# KiCad board JL.kicad_pcb (continued)
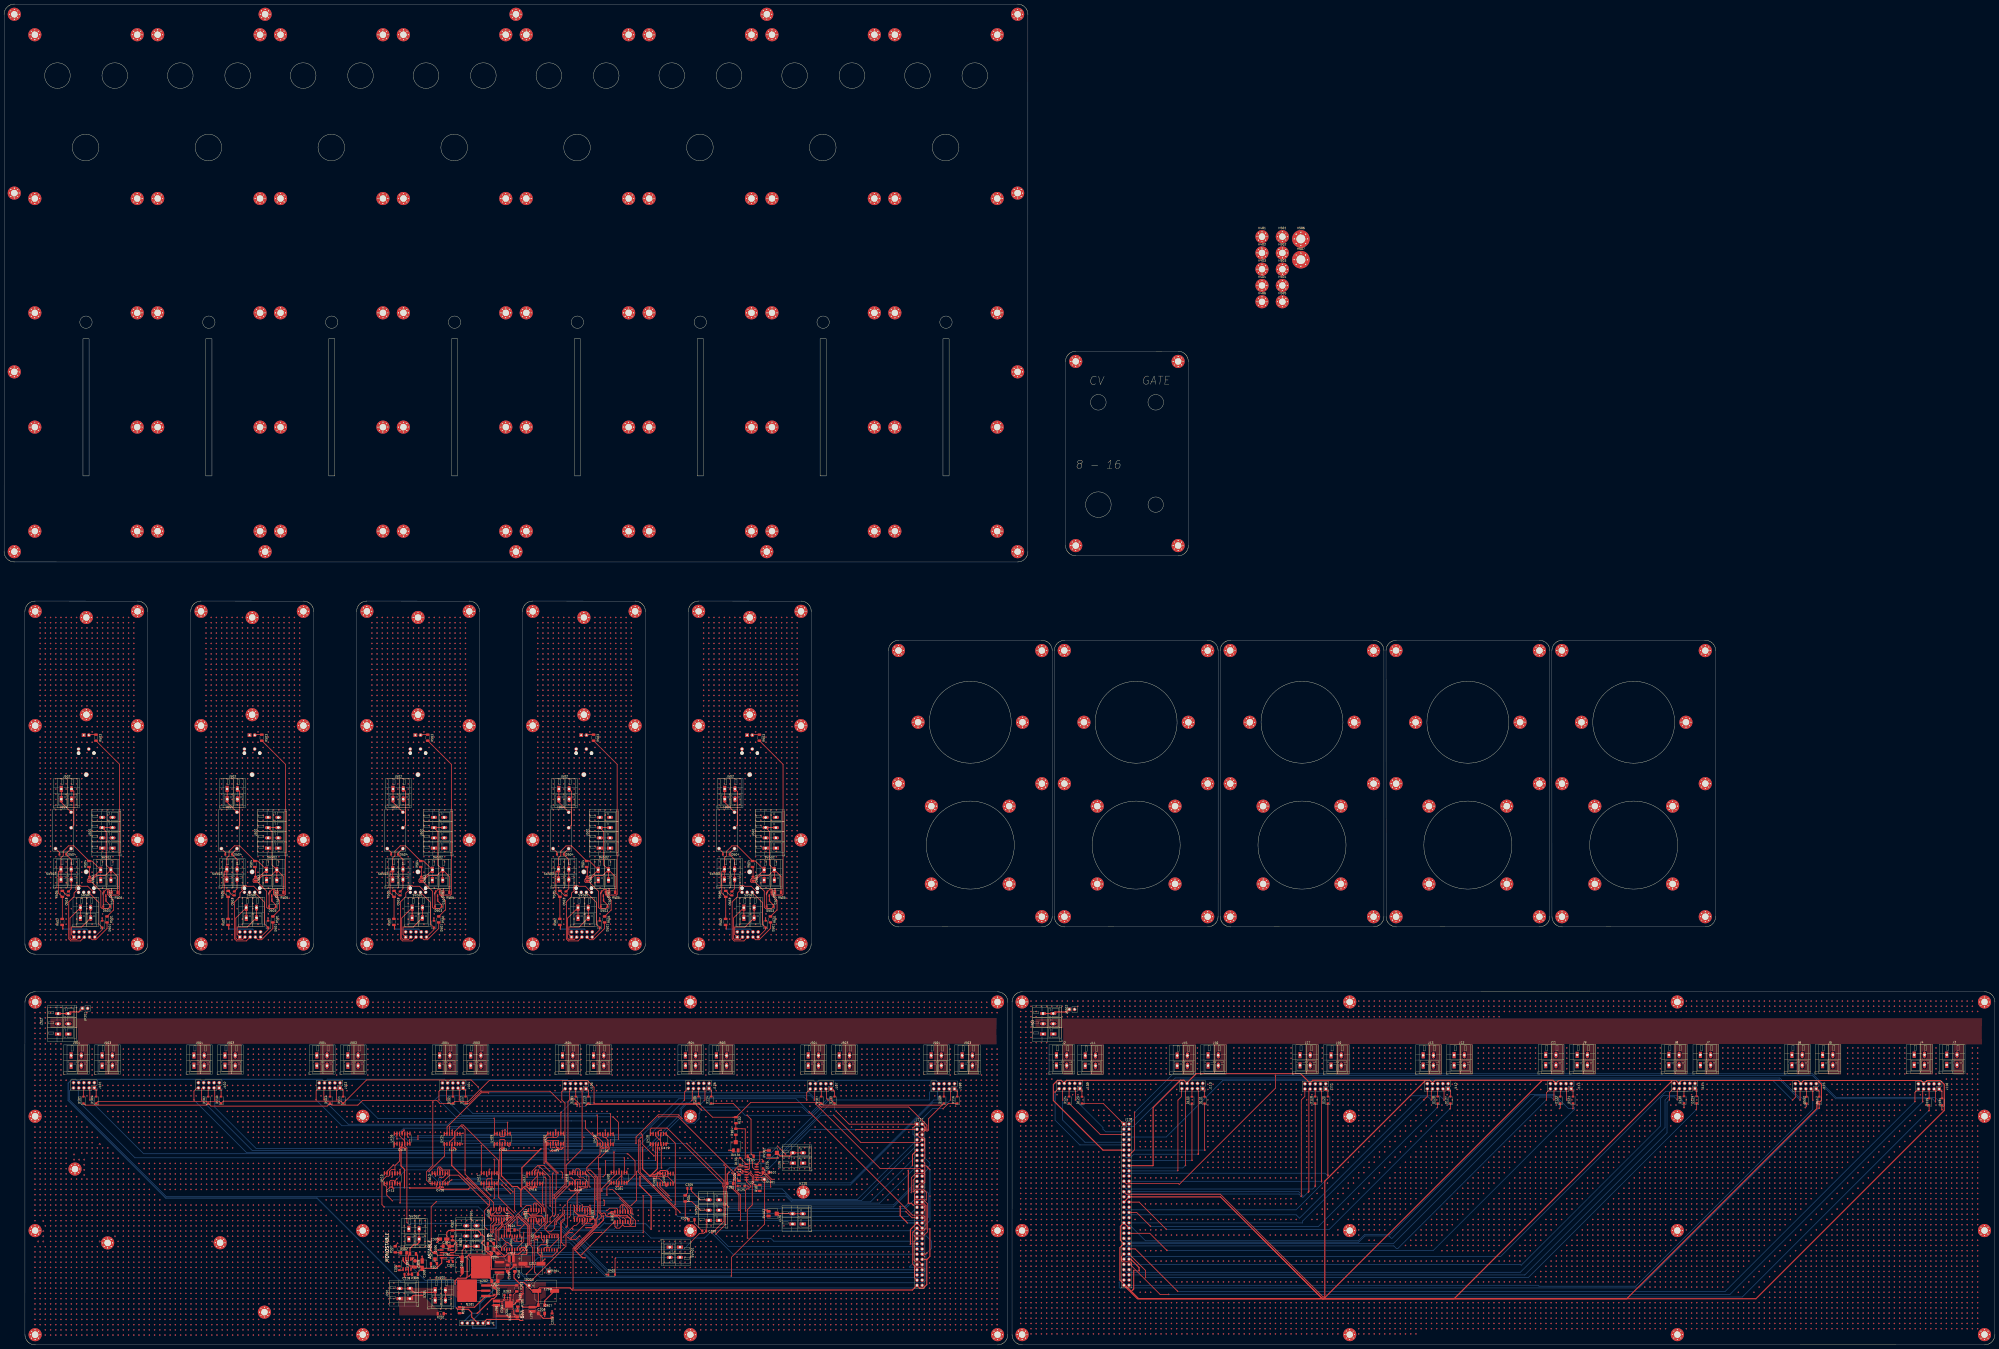
[diagram p0: board, top side]
## Placement (name value [footprint] x y rotation side) (continued)
H207  MountingHole  [MountingHole_3.2mm_M3_Pad_Via]  364.16 355.33 0 top
H210  MountingHole  [MountingHole_3.2mm_M3_Pad_Via]  127.48 387.47 0 top
H211  MountingHole  [MountingHole_3.2mm_M3_Pad_Via]  249.98 387.47 0 top
H212  MountingHole  [MountingHole_3.2mm_M3_Pad_Via]  372.48 387.47 0 top
H213  MountingHole  [MountingHole_3.2mm_M3_Pad_Via]  494.98 387.47 0 top
H214  MountingHole  [MountingHole_3.2mm_M3_Pad_Via]  127.48 649.97 0 top
H215  MountingHole  [MountingHole_3.2mm_M3_Pad_Via]  249.98 649.97 0 top
H216  MountingHole  [MountingHole_3.2mm_M3_Pad_Via]  372.48 649.97 0 top
H218  MountingHole  [MountingHole_3.2mm_M3_Pad_Via]  75.01 639.98 0 top
H219  MountingHole  [MountingHole_3.2mm_M3_Pad_Via]  125.01 639.98 0 top
H220  MountingHole  [MountingHole_3.2mm_M3_Pad_Via]  135.01 639.98 0 top
H221  MountingHole  [MountingHole_3.2mm_M3_Pad_Via]  185.01 639.98 0 top
H222  MountingHole  [MountingHole_3.2mm_M3_Pad_Via]  195.01 639.98 0 top
H223  MountingHole  [MountingHole_3.2mm_M3_Pad_Via]  245.01 639.98 0 top
H224  MountingHole  [MountingHole_3.2mm_M3_Pad_Via]  255.01 639.98 0 top
H225  MountingHole  [MountingHole_3.2mm_M3_Pad_Via]  305.01 639.98 0 top
H226  MountingHole  [MountingHole_3.2mm_M3_Pad_Via]  315.01 639.98 0 top
H227  MountingHole  [MountingHole_3.2mm_M3_Pad_Via]  365.01 639.98 0 top
H228  MountingHole  [MountingHole_3.2mm_M3_Pad_Via]  375.01 639.98 0 top
H229  MountingHole  [MountingHole_3.2mm_M3_Pad_Via]  425.01 639.98 0 top
H230  MountingHole  [MountingHole_3.2mm_M3_Pad_Via]  435.01 639.98 0 top
H231  MountingHole  [MountingHole_3.2mm_M3_Pad_Via]  485.01 639.98 0 top
H233  MountingHole  [MountingHole_3.2mm_M3_Pad_Via]  517.81 209.15 0 top
H234  MountingHole  [MountingHole_3.2mm_M3_Pad_Via]  587.81 209.15 0 top
H235  MountingHole  [MountingHole_3.2mm_M3_Pad_Via]  533.86 225.15 0 top
H236  MountingHole  [MountingHole_3.2mm_M3_Pad_Via]  571.86 225.15 0 top
H237  MountingHole  [MountingHole_3.2mm_M3_Pad_Via]  533.86 263.15 0 top
H238  MountingHole  [MountingHole_3.2mm_M3_Pad_Via]  571.86 263.15 0 top
H239  MountingHole  [MountingHole_3.2mm_M3_Pad_Via]  517.81 274.15 0 top
H240  MountingHole  [MountingHole_3.2mm_M3_Pad_Via]  587.81 274.15 0 top
H241  MountingHole  [MountingHole_3.2mm_M3_Pad_Via]  527.36 304.15 0 top
H242  MountingHole  [MountingHole_3.2mm_M3_Pad_Via]  578.36 304.15 0 top
H243  MountingHole  [MountingHole_3.2mm_M3_Pad_Via]  587.81 339.15 0 top
H244  MountingHole  [MountingHole_3.2mm_M3_Pad_Via]  517.76 339.21 0 top
H245  MountingHole  [MountingHole_3.2mm_M3_Pad_Via]  598.81 209.15 0 top
H246  MountingHole  [MountingHole_3.2mm_M3_Pad_Via]  668.81 209.15 0 top
H247  MountingHole  [MountingHole_3.2mm_M3_Pad_Via]  614.86 225.15 0 top
H248  MountingHole  [MountingHole_3.2mm_M3_Pad_Via]  652.86 225.15 0 top
H249  MountingHole  [MountingHole_3.2mm_M3_Pad_Via]  614.86 263.15 0 top
H250  MountingHole  [MountingHole_3.2mm_M3_Pad_Via]  652.86 263.15 0 top
H251  MountingHole  [MountingHole_3.2mm_M3_Pad_Via]  598.81 274.15 0 top
H252  MountingHole  [MountingHole_3.2mm_M3_Pad_Via]  668.81 274.15 0 top
H253  MountingHole  [MountingHole_3.2mm_M3_Pad_Via]  608.36 304.15 0 top
H254  MountingHole  [MountingHole_3.2mm_M3_Pad_Via]  659.36 304.15 0 top
H255  MountingHole  [MountingHole_3.2mm_M3_Pad_Via]  668.81 339.15 0 top
H256  MountingHole  [MountingHole_3.2mm_M3_Pad_Via]  598.76 339.21 0 top
H257  MountingHole  [MountingHole_3.2mm_M3_Pad_Via]  679.81 209.15 0 top
H258  MountingHole  [MountingHole_3.2mm_M3_Pad_Via]  749.81 209.15 0 top
H259  MountingHole  [MountingHole_3.2mm_M3_Pad_Via]  695.86 225.15 0 top
H260  MountingHole  [MountingHole_3.2mm_M3_Pad_Via]  733.86 225.15 0 top
H261  MountingHole  [MountingHole_3.2mm_M3_Pad_Via]  695.86 263.15 0 top
H262  MountingHole  [MountingHole_3.2mm_M3_Pad_Via]  733.86 263.15 0 top
H263  MountingHole  [MountingHole_3.2mm_M3_Pad_Via]  679.81 274.15 0 top
H264  MountingHole  [MountingHole_3.2mm_M3_Pad_Via]  749.81 274.15 0 top
H265  MountingHole  [MountingHole_3.2mm_M3_Pad_Via]  689.36 304.15 0 top
H266  MountingHole  [MountingHole_3.2mm_M3_Pad_Via]  740.36 304.15 0 top
H267  MountingHole  [MountingHole_3.2mm_M3_Pad_Via]  749.81 339.15 0 top
H268  MountingHole  [MountingHole_3.2mm_M3_Pad_Via]  679.76 339.21 0 top
H269  MountingHole  [MountingHole_3.2mm_M3_Pad_Via]  760.81 209.15 0 top
H270  MountingHole  [MountingHole_3.2mm_M3_Pad_Via]  830.81 209.15 0 top
H271  MountingHole  [MountingHole_3.2mm_M3_Pad_Via]  776.86 225.15 0 top
H272  MountingHole  [MountingHole_3.2mm_M3_Pad_Via]  814.86 225.15 0 top
H273  MountingHole  [MountingHole_3.2mm_M3_Pad_Via]  776.86 263.15 0 top
H274  MountingHole  [MountingHole_3.2mm_M3_Pad_Via]  814.86 263.15 0 top
H275  MountingHole  [MountingHole_3.2mm_M3_Pad_Via]  760.81 274.15 0 top
H276  MountingHole  [MountingHole_3.2mm_M3_Pad_Via]  830.81 274.15 0 top
H277  MountingHole  [MountingHole_3.2mm_M3_Pad_Via]  770.36 304.15 0 top
H278  MountingHole  [MountingHole_3.2mm_M3_Pad_Via]  821.36 304.15 0 top
H279  MountingHole  [MountingHole_3.2mm_M3_Pad_Via]  830.81 339.15 0 top
H280  MountingHole  [MountingHole_3.2mm_M3_Pad_Via]  760.76 339.21 0 top
H401  MountingHole  [MountingHole_3.2mm_M3_Pad_Via]  614.31 541.35 0 top
H402  MountingHole  [MountingHole_3.2mm_M3_Pad_Via]  614.31 533.4 0 top
H403  MountingHole  [MountingHole_3.2mm_M3_Pad_Via]  614.31 525.45 0 top
H404  MountingHole  [MountingHole_3.2mm_M3_Pad_Via]  614.31 517.5 0 top
H405  MountingHole  [MountingHole_3.2mm_M3_Pad_Via]  127.13 16 0 top
H406  MountingHole  [MountingHole_3.2mm_M3_Pad_Via]  614.31 509.55 0 top
H407  MountingHole  [MountingHole_3.2mm_M3_Pad_Via]  34.63 85.9 0 top
H408  MountingHole  [MountingHole_3.2mm_M3_Pad_Via]  105.53 49.9 0 top
H501  MountingHole  [MountingHole_3.2mm_M3_Pad_Via]  624.26 541.35 0 top
H502  MountingHole  [MountingHole_3.2mm_M3_Pad_Via]  624.26 533.4 0 top
H503  MountingHole  [MountingHole_3.2mm_M3_Pad_Via]  624.26 525.45 0 top
H504  MountingHole  [MountingHole_3.2mm_M3_Pad_Via]  624.26 517.5 0 top
H505  MountingHole  [MountingHole_3.2mm_M3_Pad_Via]  624.26 509.55 0 top
H506  MountingHole  [MountingHole_4.3mm_M4_Pad_Via]  633.31 540.25 0 top
H507  MountingHole  [MountingHole_4.3mm_M4_Pad_Via]  633.31 530.1 0 top
J1  Conn_01x06_Pin  [PinHeader_1x06_P2.54mm_Vertical]  236.44 10.63 270 top
J2  Screw_Terminal_01x02  [TerminalBlock_WAGO_236-402_1x02_P5.00mm_45Degree]  513.94 141.46 0 top
J3  Screw_Terminal_01x02  [TerminalBlock_WAGO_236-402_1x02_P5.00mm_45Degree]  948.74 141.76 0 top
J4  Screw_Terminal_01x02  [TerminalBlock_WAGO_236-402_1x02_P5.00mm_45Degree]  932.84 141.76 0 top
J5  Screw_Terminal_01x02  [TerminalBlock_WAGO_236-402_1x02_P5.00mm_45Degree]  888.09 141.66 0 top
J6  Screw_Terminal_01x02  [TerminalBlock_WAGO_236-402_1x02_P5.00mm_45Degree]  873.14 141.66 0 top
J7  Screw_Terminal_01x02  [TerminalBlock_WAGO_236-402_1x02_P5.00mm_45Degree]  828.44 141.66 0 top
J8  Screw_Terminal_01x02  [TerminalBlock_WAGO_236-402_1x02_P5.00mm_45Degree]  813.04 141.66 0 top
J9  Screw_Terminal_01x02  [TerminalBlock_WAGO_236-402_1x02_P5.00mm_45Degree]  768.24 141.66 0 top
J10  Screw_Terminal_01x02  [TerminalBlock_WAGO_236-402_1x02_P5.00mm_45Degree]  648.04 141.46 0 top
J11  Screw_Terminal_01x02  [TerminalBlock_WAGO_236-402_1x02_P5.00mm_45Degree]  752.89 141.66 0 top
J12  Screw_Terminal_01x02  [TerminalBlock_WAGO_236-402_1x02_P5.00mm_45Degree]  708.14 141.56 0 top
J13  Screw_Terminal_01x02  [TerminalBlock_WAGO_236-402_1x02_P5.00mm_45Degree]  693.04 141.46 0 top
J14  Screw_Terminal_01x02  [TerminalBlock_WAGO_236-402_1x02_P5.00mm_45Degree]  527.99 141.36 0 top
J15  Screw_Terminal_01x02  [TerminalBlock_WAGO_236-402_1x02_P5.00mm_45Degree]  572.89 141.36 0 top
J16  Screw_Terminal_01x02  [TerminalBlock_WAGO_236-402_1x02_P5.00mm_45Degree]  587.99 141.46 0 top
J17  Screw_Terminal_01x02  [TerminalBlock_WAGO_236-402_1x02_P5.00mm_45Degree]  632.89 141.56 0 top
J101  Conn_01x10  [PinSocket_2x05_P2.54mm_Vertical]  44.08 125.55 270 top
J102  Conn_01x10  [PinSocket_2x05_P2.54mm_Vertical]  105.08 125.55 270 top
J103  Conn_01x10  [PinSocket_2x05_P2.54mm_Vertical]  164.08 125.45 270 top
J104  Conn_01x10  [PinSocket_2x05_P2.54mm_Vertical]  224.24 125.41 270 top
J105  Conn_01x10  [PinSocket_2x05_P2.54mm_Vertical]  284.18 125.11 270 top
J106  Conn_01x10  [PinSocket_2x05_P2.54mm_Vertical]  344.28 125.21 270 top
J107  Conn_01x10  [PinSocket_2x05_P2.54mm_Vertical]  403.88 125.05 270 top
J108  Conn_01x10  [PinSocket_2x05_P2.54mm_Vertical]  464.16 125.05 270 top
J109  Conn_01x10  [PinSocket_2x05_P2.54mm_Vertical]  525.41 125.18 270 top
J110  Conn_01x10  [PinSocket_2x05_P2.54mm_Vertical]  585.37 125.18 270 top
J111  Conn_01x10  [PinSocket_2x05_P2.54mm_Vertical]  645.43 124.98 270 top
J112  Conn_01x10  [PinSocket_2x05_P2.54mm_Vertical]  705.21 125.08 270 top
J113  Conn_01x10  [PinSocket_2x05_P2.54mm_Vertical]  765.35 125.08 270 top
J114  Conn_01x10  [PinSocket_2x05_P2.54mm_Vertical]  825.8 125.19 270 top
J115  Conn_01x10  [PinSocket_2x05_P2.54mm_Vertical]  885 125.09 270 top
J116  Conn_01x10  [PinSocket_2x05_P2.54mm_Vertical]  945.07 124.98 270 top
J117  Conn_02x32_Odd_Even  [PinHeader_2x32_P2.54mm_Vertical]  445.84 107.82 0 top
J118  Conn_02x32_Odd_Even  [PinHeader_2x32_P2.54mm_Vertical]  546.87 107.89 0 top
J119  AudioJack2  [TerminalBlock_WAGO_236-402_1x02_P5.00mm_45Degree]  385.19 88.8 90 top
J120  AudioJack2  [TerminalBlock_WAGO_236-402_1x02_P5.00mm_45Degree]  385.04 59.07 90 top
J201  Screw_Terminal_01x02  [TerminalBlock_WAGO_236-402_1x02_P5.00mm_45Degree]  193.19 22.6 90 top
J202  Screw_Terminal_01x03  [TerminalBlock_WAGO_236-403_1x03_P5.00mm_45Degree]  26.35 151.84 90 top
J203  Screw_Terminal_01x03  [TerminalBlock_WAGO_236-403_1x03_P5.00mm_45Degree]  507.38 151.87 90 top
J501  Conn_01x10  [PinSocket_2x05_P2.54mm_Vertical]  115.1 199.2 270 bottom
J501#2  Conn_01x10  [PinSocket_2x05_P2.54mm_Vertical]  358.1 199.2 270 bottom
J501#3  Conn_01x10  [PinSocket_2x05_P2.54mm_Vertical]  277.1 199.2 270 bottom
J501#4  Conn_01x10  [PinSocket_2x05_P2.54mm_Vertical]  34.1 199.2 270 bottom
J501#5  Conn_01x10  [PinSocket_2x05_P2.54mm_Vertical]  196.1 199.2 270 bottom
J502  Screw_Terminal_01x02  [TerminalBlock_WAGO_236-402_1x02_P5.00mm_45Degree]  270.93 271.58 0 top
J502#2  Screw_Terminal_01x02  [TerminalBlock_WAGO_236-402_1x02_P5.00mm_45Degree]  27.93 271.58 0 top
J502#3  Screw_Terminal_01x02  [TerminalBlock_WAGO_236-402_1x02_P5.00mm_45Degree]  108.93 271.58 0 top
J502#4  Screw_Terminal_01x02  [TerminalBlock_WAGO_236-402_1x02_P5.00mm_45Degree]  189.93 271.58 0 top
J502#5  Screw_Terminal_01x02  [TerminalBlock_WAGO_236-402_1x02_P5.00mm_45Degree]  351.93 271.58 0 top
J503  Screw_Terminal_01x02  [TerminalBlock_WAGO_236-402_1x02_P5.00mm_45Degree]  287.87 141.4 0 top
J503#2  Screw_Terminal_01x02  [TerminalBlock_WAGO_236-402_1x02_P5.00mm_45Degree]  347.87 141.4 0 top
J503#3  Screw_Terminal_01x02  [TerminalBlock_WAGO_236-402_1x02_P5.00mm_45Degree]  467.87 141.4 0 top
J503#4  Screw_Terminal_01x02  [TerminalBlock_WAGO_236-402_1x02_P5.00mm_45Degree]  407.87 141.4 0 top
J503#5  Screw_Terminal_01x02  [TerminalBlock_WAGO_236-402_1x02_P5.00mm_45Degree]  47.87 141.4 0 top
J503#6  Screw_Terminal_01x02  [TerminalBlock_WAGO_236-402_1x02_P5.00mm_45Degree]  107.87 141.4 0 top
J503#7  Screw_Terminal_01x02  [TerminalBlock_WAGO_236-402_1x02_P5.00mm_45Degree]  227.87 141.4 0 top
J503#8  Screw_Terminal_01x02  [TerminalBlock_WAGO_236-402_1x02_P5.00mm_45Degree]  167.87 141.4 0 top
J504  Screw_Terminal_01x02  [TerminalBlock_WAGO_236-402_1x02_P5.00mm_45Degree]  452.72 141.4 0 top
J504#2  Screw_Terminal_01x02  [TerminalBlock_WAGO_236-402_1x02_P5.00mm_45Degree]  212.72 141.4 0 top
J504#3  Screw_Terminal_01x02  [TerminalBlock_WAGO_236-402_1x02_P5.00mm_45Degree]  332.72 141.4 0 top
J504#4  Screw_Terminal_01x02  [TerminalBlock_WAGO_236-402_1x02_P5.00mm_45Degree]  92.72 141.4 0 top
J504#5  Screw_Terminal_01x02  [TerminalBlock_WAGO_236-402_1x02_P5.00mm_45Degree]  32.72 141.4 0 top
J504#6  Screw_Terminal_01x02  [TerminalBlock_WAGO_236-402_1x02_P5.00mm_45Degree]  152.72 141.4 0 top
J504#7  Screw_Terminal_01x02  [TerminalBlock_WAGO_236-402_1x02_P5.00mm_45Degree]  272.72 141.4 0 top
J504#8  Screw_Terminal_01x02  [TerminalBlock_WAGO_236-402_1x02_P5.00mm_45Degree]  392.72 141.4 0 top
JP201  Jumper_2_Open  [PinHeader_1x02_P2.54mm_Vertical]  38.23 164.39 90 top
JP202  Jumper_2_Open  [PinHeader_1x02_P2.54mm_Vertical]  520.25 163.88 90 top
K501  ALQ305  [RELAY_ALQ3_PAN]  108.66 250.06 180 top
K501#2  ALQ305  [RELAY_ALQ3_PAN]  270.66 250.06 180 top
K501#3  ALQ305  [RELAY_ALQ3_PAN]  351.66 250.06 180 top
K501#4  ALQ305  [RELAY_ALQ3_PAN]  189.66 250.06 180 top
K501#5  ALQ305  [RELAY_ALQ3_PAN]  27.66 250.06 180 top
L201  4.7uH  [L_Wuerth_MAPI-3015]  240.44 20.39 270 top
L202  L  [L_Wuerth_MAPI-3015]  257.87 17.4 90 top
L203  L  [L_Wuerth_MAPI-3015]  247.69 42.03 0 top
Q201  IRF5305-Reverse-Polarity  [TO-263-3_TabPin2]  227.62 26.48 180 top
Q501  BC817  [SOT-23]  130.68 220.33 270 top
Q501#2  BC817  [SOT-23]  373.68 220.33 270 top
Q501#3  BC817  [SOT-23]  292.68 220.33 270 top
Q501#4  BC817  [SOT-23]  49.68 220.33 270 top
Q501#5  BC817  [SOT-23]  211.68 220.33 270 top
R101  R_US  [R_1206_3216Metric]  371.96 84.23 180 top
R102  1000K  [R_1206_3216Metric]  357.44 109.77 270 top
R103  R_US  [R_1206_3216Metric]  364.62 92.1 180 top
R104  0R  [R_1206_3216Metric]  357.34 104.12 90 top
R105  R_US  [R_1206_3216Metric]  354.64 78.8 180 top
R106  R_US  [R_1206_3216Metric]  358.89 81.62 270 top
R107  R_US  [R_1206_3216Metric]  369.04 76.68 90 top
R201  0  [R_1206_3216Metric]  213.23 15.25 180 top
R202  100K  [R_1206_3216Metric]  222.44 16.97 270 top
R203  R_US  [R_1206_3216Metric]  250.37 27.62 90 top
R204  R_US  [R_1206_3216Metric]  237.7 49.48 180 top
R205  R_US  [R_1206_3216Metric]  250.87 20.15 270 top
R301  R_US  [R_1206_3216Metric]  209.94 39.69 0 top
R302  R_US  [R_1206_3216Metric]  218.94 54.48 90 top
R303  R_US  [R_1206_3216Metric]  218.94 49.65 90 top
R304  R_US  [R_1206_3216Metric]  332.64 71.55 270 top
R305  R_US  [R_1206_3216Metric]  335.72 61.16 180 top
R306  R_US  [R_1206_3216Metric]  199.69 44.5 0 top
R307  R_US  [R_1206_3216Metric]  191.01 46.7 270 top
R308  R_US  [R_1206_3216Metric]  200.65 34.5 0 top
R401  R_US  [R_1206_3216Metric]  247.81 56.14 180 top
R501  R_US  [R_1206_3216Metric]  212.28 207.84 90 top
R501#2  R_US  [R_1206_3216Metric]  50.28 207.84 90 top
R501#3  R_US  [R_1206_3216Metric]  131.28 207.84 90 top
R501#4  R_US  [R_1206_3216Metric]  374.28 207.84 90 top
R501#5  R_US  [R_1206_3216Metric]  293.28 207.84 90 top
R502  R_US  [R_1206_3216Metric]  271.36 206.62 90 top
R502#2  R_US  [R_1206_3216Metric]  28.36 206.62 90 top
R502#3  R_US  [R_1206_3216Metric]  190.36 206.62 90 top
R502#4  R_US  [R_1206_3216Metric]  109.36 206.62 90 top
R502#5  R_US  [R_1206_3216Metric]  352.36 206.62 90 top
R503  R_US  [R_1206_3216Metric]  206.88 296.6 270 top
R503#2  R_US  [R_1206_3216Metric]  368.88 296.6 270 top
R503#3  R_US  [R_1206_3216Metric]  287.88 296.6 270 top
R503#4  R_US  [R_1206_3216Metric]  44.88 296.6 270 top
R503#5  R_US  [R_1206_3216Metric]  125.88 296.6 270 top
R504  R_US  [R_1206_3216Metric]  41.48 234.9 90 top
R504#2  R_US  [R_1206_3216Metric]  365.48 234.9 90 top
R504#3  R_US  [R_1206_3216Metric]  122.48 234.9 90 top
R504#4  R_US  [R_1206_3216Metric]  203.48 234.9 90 top
R504#5  R_US  [R_1206_3216Metric]  284.48 234.9 90 top
R505  R_US  [R_1206_3216Metric]  271.43 220.32 90 top
R505#2  R_US  [R_1206_3216Metric]  352.43 220.32 90 top
R505#3  R_US  [R_1206_3216Metric]  109.43 220.32 90 top
R505#4  R_US  [R_1206_3216Metric]  28.43 220.32 90 top
R505#5  R_US  [R_1206_3216Metric]  190.43 220.32 90 top
R506  R_US  [R_1206_3216Metric]  53.96 221.08 0 top
R506#2  R_US  [R_1206_3216Metric]  215.96 221.08 0 top
R506#3  R_US  [R_1206_3216Metric]  134.96 221.08 0 top
R506#4  R_US  [R_1206_3216Metric]  377.96 221.08 0 top
R506#5  R_US  [R_1206_3216Metric]  296.96 221.08 0 top
RV101  R_Potentiometer_US  [Potentiometer_Bourns_3314J_Vertical]  357.34 97.02 180 top
RV102  R_Potentiometer_US  [Potentiometer_Bourns_3314J_Vertical]  375.44 93.8 90 top
RV103  R_Potentiometer_US  [Potentiometer_Bourns_3314J_Vertical]  375.34 64.12 90 top
RV301  R_Potentiometer_US  [TerminalBlock_WAGO_236-403_1x03_P5.00mm_45Degree]  225.69 48.19 90 top
RV501  R_Potentiometer_US  [POT_SEGOR_10K]  121.12 256.08 90 bottom
RV501#2  R_Potentiometer_US  [POT_SEGOR_10K]  202.12 256.08 90 bottom
RV501#3  R_Potentiometer_US  [POT_SEGOR_10K]  40.12 256.08 90 bottom
RV501#4  R_Potentiometer_US  [POT_SEGOR_10K]  283.12 256.08 90 bottom
RV501#5  R_Potentiometer_US  [POT_SEGOR_10K]  364.12 256.08 90 bottom
SW201  SW_SPST  [TerminalBlock_WAGO_236-402_1x02_P5.00mm_45Degree]  210.54 26.75 0 top
SW301  SW_SPDT  [TerminalBlock_WAGO_236-403_1x03_P5.00mm_45Degree]  344.14 60.83 90 top
SW302  SW_Push  [TerminalBlock_WAGO_236-402_1x02_P5.00mm_45Degree]  197.68 56.7 0 top
SW401  SW_SPST  [TerminalBlock_WAGO_236-402_1x02_P5.00mm_45Degree]  330.09 47.77 270 top
SW501  SW_Push  [TerminalBlock_WAGO_236-402_1x02_P5.00mm_45Degree]  118.28 213.58 0 top
SW501#2  SW_Push  [TerminalBlock_WAGO_236-402_1x02_P5.00mm_45Degree]  361.28 213.58 0 top
SW501#3  SW_Push  [TerminalBlock_WAGO_236-402_1x02_P5.00mm_45Degree]  280.28 213.58 0 top
SW501#4  SW_Push  [TerminalBlock_WAGO_236-402_1x02_P5.00mm_45Degree]  37.28 213.58 0 top
SW501#5  SW_Push  [TerminalBlock_WAGO_236-402_1x02_P5.00mm_45Degree]  199.28 213.58 0 top
SW502  SW_SPST  [TerminalBlock_WAGO_236-402_1x02_P5.00mm_45Degree]  371.18 232.08 0 top
SW502#2  SW_SPST  [TerminalBlock_WAGO_236-402_1x02_P5.00mm_45Degree]  128.18 232.08 0 top
SW502#3  SW_SPST  [TerminalBlock_WAGO_236-402_1x02_P5.00mm_45Degree]  209.18 232.08 0 top
SW502#4  SW_SPST  [TerminalBlock_WAGO_236-402_1x02_P5.00mm_45Degree]  290.18 232.08 0 top
SW502#5  SW_SPST  [TerminalBlock_WAGO_236-402_1x02_P5.00mm_45Degree]  47.18 232.08 0 top
SW503  SW_SPST  [TerminalBlock_WAGO_236-402_1x02_P5.00mm_45Degree]  189.78 232.33 0 top
SW503#2  SW_SPST  [TerminalBlock_WAGO_236-402_1x02_P5.00mm_45Degree]  351.78 232.33 0 top
SW503#3  SW_SPST  [TerminalBlock_WAGO_236-402_1x02_P5.00mm_45Degree]  27.78 232.33 0 top
SW503#4  SW_SPST  [TerminalBlock_WAGO_236-402_1x02_P5.00mm_45Degree]  108.78 232.33 0 top
SW503#5  SW_SPST  [TerminalBlock_WAGO_236-402_1x02_P5.00mm_45Degree]  270.78 232.33 0 top
TP203  TestPoint  [TestPoint_Loop_D1.80mm_Drill1.0mm_Beaded]  256.37 28.98 0 top
TP204  TestPoint  [TestPoint_Loop_D1.80mm_Drill1.0mm_Beaded]  266.12 35.9 0 top
TP401  TestPoint  [TestPoint_Loop_D1.80mm_Drill1.0mm_Beaded]  371.29 80.9 0 top
U2  TL074  [SOIC-14_3.9x8.7mm_P1.27mm]  365.03 84.42 180 top
U201  LM2675-5-WSON-16  [WSON-16-1EP_5.0x5.0mm_P0.5mm_EP2.6x2.6mm]  246.27 19.75 90 top
U202  L7806  [TO-263-2]  234.32 37.9 180 top
U301  LMC555xM  [SOIC-8_3.9x4.9mm_P1.27mm]  216.19 44.44 0 top
U302  LMC555xM  [SOIC-8_3.9x4.9mm_P1.27mm]  196.79 39.48 270 top
U401  SN74HC08  [SOIC-14_3.9x8.7mm_P1.27mm]  322.91 81.18 90 top
U402  SN74HC08  [SOIC-14_3.9x8.7mm_P1.27mm]  282.33 63.53 270 top
U403  SN74HC08  [SOIC-14_3.9x8.7mm_P1.27mm]  259.92 63.35 90 top
U404  4017  [SOP-16_4.55x10.3mm_P1.27mm]  247.44 49.9 270 top
U405  SN74HC08  [SOIC-14_3.9x8.7mm_P1.27mm]  241.63 63.83 270 top
U406  4017  [SOP-16_4.55x10.3mm_P1.27mm]  265.62 49.65 90 top
U407  SN74HC08  [SOIC-14_3.9x8.7mm_P1.27mm]  302.12 62.55 90 top
U408  TL074  [SOIC-14_3.9x8.7mm_P1.27mm]  300.32 81.68 90 top
U409  TL074  [SOIC-14_3.9x8.7mm_P1.27mm]  243.33 100.68 90 top
U410  TL074  [SOIC-14_3.9x8.7mm_P1.27mm]  293.63 100.48 90 top
U411  TL074  [SOIC-14_3.9x8.7mm_P1.27mm]  236.9 81.4 90 top
U412  TL074  [SOIC-14_3.9x8.7mm_P1.27mm]  269.36 100.73 90 top
U413  TL074  [SOIC-14_3.9x8.7mm_P1.27mm]  212.88 81.38 90 top
U414  TL074  [SOIC-14_3.9x8.7mm_P1.27mm]  218.81 100.63 90 top
U415  TL074  [SOIC-14_3.9x8.7mm_P1.27mm]  189.54 81.33 90 top
U416  TL074  [SOIC-14_3.9x8.7mm_P1.27mm]  194.41 100.78 90 top
U417  TL074  [SOIC-14_3.9x8.7mm_P1.27mm]  259.16 81.28 90 top
U418  TL074  [SOIC-14_3.9x8.7mm_P1.27mm]  280.08 81.43 90 top
U419  TL074  [SOIC-14_3.9x8.7mm_P1.27mm]  319.51 100.58 90 top
U501  AQ-A_Solid_State_Relay  [TerminalBlock_WAGO_236-404_1x04_P5.00mm_45Degree]  371.93 242.68 90 top
U501#2  AQ-A_Solid_State_Relay  [TerminalBlock_WAGO_236-404_1x04_P5.00mm_45Degree]  290.93 242.68 90 top
U501#3  AQ-A_Solid_State_Relay  [TerminalBlock_WAGO_236-404_1x04_P5.00mm_45Degree]  47.93 242.68 90 top
U501#4  AQ-A_Solid_State_Relay  [TerminalBlock_WAGO_236-404_1x04_P5.00mm_45Degree]  128.93 242.68 90 top
U501#5  AQ-A_Solid_State_Relay  [TerminalBlock_WAGO_236-404_1x04_P5.00mm_45Degree]  209.93 242.68 90 top

## Library data of the parts
C1 C301 C305-C307 C401-C419 = -: Description: Unpolarized capacitor; Digi-Key_PN: 1276-1043-2-ND
C201 = -: Description: Unpolarized capacitor; Digi-Key_PN: 1276-1079-1-ND; Manufacturer_PN: CL31A106KQHNNNE
C202 = -: Description: Unpolarized capacitor; Digi-Key_PN: 338-2775-2-ND
C203 = -: Description: Unpolarized capacitor; Digi-Key_PN: 478-1542-1-ND; Manufacturer_PN: 12065C103KAT2A
C204 C304 C309 = -: Description: Unpolarized capacitor; Digi-Key_PN: 399-3676-2-ND
C205 = -: Description: Unpolarized capacitor; Digi-Key_PN: 1276-2728-1-ND; Manufacturer_PN: CL31A226MOCLNNC
C206 C207 C209 C210 = -: Description: Unpolarized capacitor; Digi-Key_PN: 1276-1017-1-ND; Manufacturer_PN: CL31B104KBCNNNC
C208 C211 = -: Description: Polarized capacitor; Digi-Key_PN: 399-A781MS567M1ELAV022TR-ND
C302 = -: Description: Polarized capacitor; Digi-Key_PN: 399-13672-2-ND
C303 C308 = -: Description: Polarized capacitor; Digi-Key_PN: P16465TR-ND
C310 = -: Description: Unpolarized capacitor; Digi-Key_PN: 1189-4361-2-ND
C501 C501#2-C501#5 C502 C502#2-C502#5 C503 C503#2-C503#5 = -: Description: Unpolarized capacitor; Channel: 0; Digi-Key_PN: 1276-1043-2-ND
D101-D135 D401 = -: Description: Diode; Digi-Key_PN: 1655-1N4148WTR-ND; Sim.Pins: 1=K 2=A
D201 = -: Description: ESD Protection Diode, SOD-523; Digi-Key_PN: 3372-ESD5Z7V0TR-ND
D202 = -: Description: Schottky diode; Digi-Key_PN: BZT52C10-TPMSCT-ND; Manufacturer_PN: BZT52C10-TP
D203 = -: Description: Schottky diode; Digi-Key_PN: B230AF-13DICT-ND; Manufacturer_PN: B230AF-13
D204 D205 = -: Description: Light emitting diode; Digi-Key_PN: 160-1406-1-ND; Manufacturer_PN: LTST-C150KSKT
D301 D302 = -: Description: Light emitting diode; Digi-Key_PN: 67-1684-2-ND
D501 D501#2-D501#5 D503 D503#2-D503#5 D504 D504#2-D504#5 = -: Description: Diode; Channel: 0; Digi-Key_PN: 1655-1N4148WTR-ND; Sim.Pins: 1=K 2=A
D502 D502#2-D502#5 = -: Description: Light emitting diode; Channel: 0; Digi-Key_PN: 1497-1031-ND
H102 H108 H108#2-H108#101 H110 H115-H121 H123-H132 H134-H140 H142 H143 H145-H151 H153 H155-H161 H164-H171 H173-H183 H188 H188#2 H191 H191#2 H194-H196 H199 H206 H207 H210-H216 H218-H231 H233-H280 H401-H408 = -: Description: Mounting Hole without connection
H501-H507 = -: Description: Mounting Hole without connection; Channel: 0
J1 = -: Description: Generic connector, single row, 01x06, script generated
J2-J17 J201 = -: Description: Generic screw terminal, single row, 01x02, script generated (kicad-library-utils/schlib/autogen/connector/); Digi-Key_PN: 2946-236-401-ND
J101-J116 = -: Description: Generic connector, single row, 01x10, script generated (kicad-library-utils/schlib/autogen/connector/); Digi-Key_PN: ED1543-ND
J117 J118 = -: Description: Generic connector, double row, 02x32, odd/even pin numbering scheme (row 1 odd numbers, row 2 even numbers), script generated (kicad-library-utils/schlib/autogen/connector/); Digi-Key_PN: SAM9613-ND
J119 J120 = -: Description: Audio Jack, 2 Poles (Mono / TS); Digi-Key_PN: 2946-236-401-ND
J202 J203 = -: Description: Generic screw terminal, single row, 01x03, script generated (kicad-library-utils/schlib/autogen/connector/); Digi-Key_PN: 2946-236-401-ND
J501 J501#2-J501#5 = -: Description: Generic connector, single row, 01x10, script generated (kicad-library-utils/schlib/autogen/connector/); Channel: 0; Digi-Key_PN: ED1543-ND
J502 J502#2-J502#5 J503 J503#2-J503#8 J504 J504#2-J504#8 = -: Description: Generic screw terminal, single row, 01x02, script generated (kicad-library-utils/schlib/autogen/connector/); Channel: 0; Digi-Key_PN: 2946-236-401-ND
JP201 JP202 = -: Description: Jumper, 2-pole, open
K501 K501#2-K501#5 = -: Channel: 0; Digi-Key_PN: 255-3559-ND
L201 = -: Description: Inductor; Digi-Key_PN: 445-2026-1-ND; Manufacturer_PN: SLF7045T-4R7M2R0-PF
L202 L203 = -: Description: Inductor; Digi-Key_PN: 308-0640CDMCCDS-R15MCCT-ND; Manufacturer_PN: 0640CDMCCDS-R15MC
Q201 = -: Digi-Key_PN: IRF5305STRLPBFCT-ND; Manufacturer_PN: IRF5305STRLPBF
Q501 Q501#2-Q501#5 = -: Description: 0.8A Ic, 45V Vce, NPN Transistor, SOT-23; Channel: 0; Digi-Key_PN: 1727-6186-2-ND
R101 R103 R105-R107 R203-R205 R301-R308 R401 = -: Description: Resistor, US symbol; Digi-Key_PN: RMCF1206JT2K20TR-ND
R102 = -: Description: Resistor, US symbol; Digi-Key_PN: RMCF1206FT1K00TR-ND
R104 = -: Description: Resistor, US symbol; Digi-Key_PN: RMCF1206ZT0R00TR-ND
R201 = -: Description: Resistor; Digi-Key_PN: RMCF1206ZT0R00CT-ND; Manufacturer_PN: RMCF1206ZT0R00
R202 = -: Description: Resistor; Digi-Key_PN: 311-100KERCT-ND; Manufacturer_PN: RC1206JR-07100KL
R501 R501#2-R501#5 R502 R502#2-R502#5 R503 R503#2-R503#5 R504 R504#2-R504#5 R505 R505#2-R505#5 R506 R506#2-R506#5 = -: Description: Resistor, US symbol; Channel: 0; Digi-Key_PN: RMCF1206JT2K20TR-ND
RV101-RV103 = -: Description: Potentiometer, US symbol; Digi-Key_PN: 3314J-503ETR-ND
RV301 = -: Description: Potentiometer, US symbol; Digi-Key_PN: 2946-236-401-ND
RV501 RV501#2-RV501#5 = -: Description: Potentiometer, US symbol; Channel: 0; Digi-Key_PN: 2946-236-401-ND
SW201 SW401 = -: Description: Single Pole Single Throw (SPST) switch; Digi-Key_PN: 2946-236-401-ND
SW301 = -: Description: Switch, single pole double throw; Digi-Key_PN: 2946-236-401-ND
SW302 = -: Description: Push button switch, generic, two pins; Digi-Key_PN: 2946-236-401-ND
SW501 SW501#2-SW501#5 = -: Description: Push button switch, generic, two pins; Channel: 0; Digi-Key_PN: 2946-236-401-ND
SW502 SW502#2-SW502#5 SW503 SW503#2-SW503#5 = -: Description: Single Pole Single Throw (SPST) switch; Channel: 0; Digi-Key_PN: 2946-236-401-ND
TP203 TP204 TP401 = -: Description: test point
U2 U408-U419 = -: Description: Quad Low-Noise JFET-Input Operational Amplifiers, DIP-14/SOIC-14
U201 = -: Description: 5V, 1A Step-Down Voltage Regulator, SO-8
U202 = -: Description: Positive 1.5A 35V Linear Regulator, Fixed Output 6V, TO-220/TO-263/TO-252
U301 U302 = -: Description: CMOS Timer, 555 compatible, SOIC-8
U401-U403 U405 U407 = -: Description: Quad And 2 inputs
U404 U406 = -: Description: Johnson Counter ( 10 outputs )
U501 U501#2-U501#5 = -: Channel: 0

## Footprints (pads in the part's own frame, mm; a bottom-side part is the same pattern mirrored in y, then rotated)
C_0402_1005Metric
  rrect 0.56x0.62 smd: 1(-0.48,0) 2(0.48,0)
C_0805_2012Metric
  rrect 1x1.45 smd: 1(-0.95,0) 2(0.95,0)
C_1206_3216Metric_Pad1.33x1.80mm_HandSolder
  rrect 1.325x1.8 smd: 1(-1.562,0) 2(1.562,0)
CP_Elec_4x4.5
  rrect 2.6x1.6 smd: 1(-1.8,0) 2(1.8,0)
CP_Elec_6.3x7.7
  rrect 3.5x1.6 smd: 1(-2.7,0) 2(2.7,0)
CP_Elec_10x12.6
  rrect 4.4x1.9 smd: 1(-4.35,0) 2(4.35,0)
D_SOD-123
  rrect 0.9x1.2 smd: 1(-1.65,0) 2(1.65,0)
D_SOD-123F
  rrect 1.1x1.1 smd: 1(-1.4,0) 2(1.4,0)
D_SOD-523
  rrect 0.6x0.7 smd: 1(-0.7,0) 2(0.7,0)
L_Wuerth_MAPI-3015
  rect 1.3x3.4 smd: 1(-1.05,0) 2(1.05,0)
LED_1206_3216Metric_Pad1.42x1.75mm_HandSolder
  rrect 1.425x1.75 smd: 1(-1.488,0) 2(1.488,0)
LED_D5.0mm
  rect 1.8x1.8 hole 0.9: 1(0,0)
  round 1.8 hole 0.9: 2(2.54,0)
MountingHole_3.2mm_M3_Pad_Via
  round 0.8 hole 0.5: 1(-2.4,0) 1(-1.697,1.697) 1(-1.697,-1.697) 1(0,2.4) 1(0,-2.4) 1(1.697,1.697) 1(1.697,-1.697) 1(2.4,0)
  round 6.4 hole 3.2: 1(0,0)
MountingHole_4.3mm_M4_Pad_Via
  round 0.9 hole 0.6: 1(-3.225,0) 1(-2.28,2.28) 1(-2.28,-2.28) 1(0,3.225) 1(0,-3.225) 1(2.28,2.28) 1(2.28,-2.28) 1(3.225,0)
  round 8.6 hole 4.3: 1(0,0)
PinHeader_1x02_P2.54mm_Vertical
  rect 1.7x1.7 hole 1: 1(0,0)
  oval 1.7x1.7 hole 1: 2(0,-2.54)
PinHeader_1x06_P2.54mm_Vertical
  rect 1.7x1.7 hole 1: 1(0,0)
  oval 1.7x1.7 hole 1: 2(0,-2.54) 3(0,-5.08) 4(0,-7.62) 5(0,-10.16) 6(0,-12.7)
PinHeader_2x32_P2.54mm_Vertical
  rect 1.7x1.7 hole 1: 1(0,0)
  oval 1.7x1.7 hole 1: 2(2.54,0) 3(0,-2.54) 4(2.54,-2.54) 5(0,-5.08) 6(2.54,-5.08) 7(0,-7.62) 8(2.54,-7.62) 9(0,-10.16) 10(2.54,-10.16) 11(0,-12.7) 12(2.54,-12.7) 13(0,-15.24) 14(2.54,-15.24) 15(0,-17.78) 16(2.54,-17.78) 17(0,-20.32) 18(2.54,-20.32) 19(0,-22.86) 20(2.54,-22.86) 21(0,-25.4) 22(2.54,-25.4) 23(0,-27.94) 24(2.54,-27.94) 25(0,-30.48) 26(2.54,-30.48) 27(0,-33.02) 28(2.54,-33.02) 29(0,-35.56) 30(2.54,-35.56) 31(0,-38.1) 32(2.54,-38.1) 33(0,-40.64) 34(2.54,-40.64) 35(0,-43.18) 36(2.54,-43.18) 37(0,-45.72) 38(2.54,-45.72) 39(0,-48.26) 40(2.54,-48.26) 41(0,-50.8) 42(2.54,-50.8) 43(0,-53.34) 44(2.54,-53.34) 45(0,-55.88) 46(2.54,-55.88) 47(0,-58.42) 48(2.54,-58.42) 49(0,-60.96) 50(2.54,-60.96) 51(0,-63.5) 52(2.54,-63.5) 53(0,-66.04) 54(2.54,-66.04) 55(0,-68.58) 56(2.54,-68.58) 57(0,-71.12) 58(2.54,-71.12) 59(0,-73.66) 60(2.54,-73.66) 61(0,-76.2) 62(2.54,-76.2) 63(0,-78.74) 64(2.54,-78.74)
PinSocket_2x05_P2.54mm_Vertical
  rect 1.7x1.7 hole 1: 1(0,0)
  oval 1.7x1.7 hole 1: 2(-2.54,0) 3(0,-2.54) 4(-2.54,-2.54) 5(0,-5.08) 6(-2.54,-5.08) 7(0,-7.62) 8(-2.54,-7.62) 9(0,-10.16) 10(-2.54,-10.16)
POT_SEGOR_10K
  round 1.7 hole 1.7 unplated: (-33,-3.75) (-33,3.75) (33,-3.75) (33,3.75)
  round 1.7 hole 1.2: 1(-35,1.25) 2(-35,3.75) 3(35,1.25) L(-35,-3.75) L(-35,-1.25) L(35,-3.75)
  round 2.4 hole 2: L(-25,0) L(22.5,0)
Potentiometer_Bourns_3314J_Vertical
  rrect 1.3x2 smd: 1(-1.15,2) 3(1.15,2)
  rrect 2x2 smd: 2(0,-2)
R_1206_3216Metric
  rrect 1.125x1.75 smd: 1(-1.462,0) 2(1.462,0)
RELAY_ALQ3_PAN
  round 1.803 hole 1.295: 1(-5.08,7.62) 2(2.54,7.62) 3(-5.08,-2.54) 4(-5.08,-10.16)
SOIC-8_3.9x4.9mm_P1.27mm
  rrect 1.95x0.6 smd: 1(-2.475,1.905) 2(-2.475,0.635) 3(-2.475,-0.635) 4(-2.475,-1.905) 5(2.475,-1.905) 6(2.475,-0.635) 7(2.475,0.635) 8(2.475,1.905)
SOIC-14_3.9x8.7mm_P1.27mm
  rrect 1.95x0.6 smd: 1(-2.475,3.81) 2(-2.475,2.54) 3(-2.475,1.27) 4(-2.475,0) 5(-2.475,-1.27) 6(-2.475,-2.54) 7(-2.475,-3.81) 8(2.475,-3.81) 9(2.475,-2.54) 10(2.475,-1.27) 11(2.475,0) 12(2.475,1.27) 13(2.475,2.54) 14(2.475,3.81)
SOP-16_4.55x10.3mm_P1.27mm
  rrect 1.6x0.6 smd: 1(-3.25,4.445) 2(-3.25,3.175) 3(-3.25,1.905) 4(-3.25,0.635) 5(-3.25,-0.635) 6(-3.25,-1.905) 7(-3.25,-3.175) 8(-3.25,-4.445) 9(3.25,-4.445) 10(3.25,-3.175) 11(3.25,-1.905) 12(3.25,-0.635) 13(3.25,0.635) 14(3.25,1.905) 15(3.25,3.175) 16(3.25,4.445)
SOT-23
  rrect 1.475x0.6 smd: 1(-0.938,0.95) 2(-0.938,-0.95) 3(0.938,0)
